# KiCad board SparkFun_GNSS_pHAT_panelized.kicad_pcb (continued)
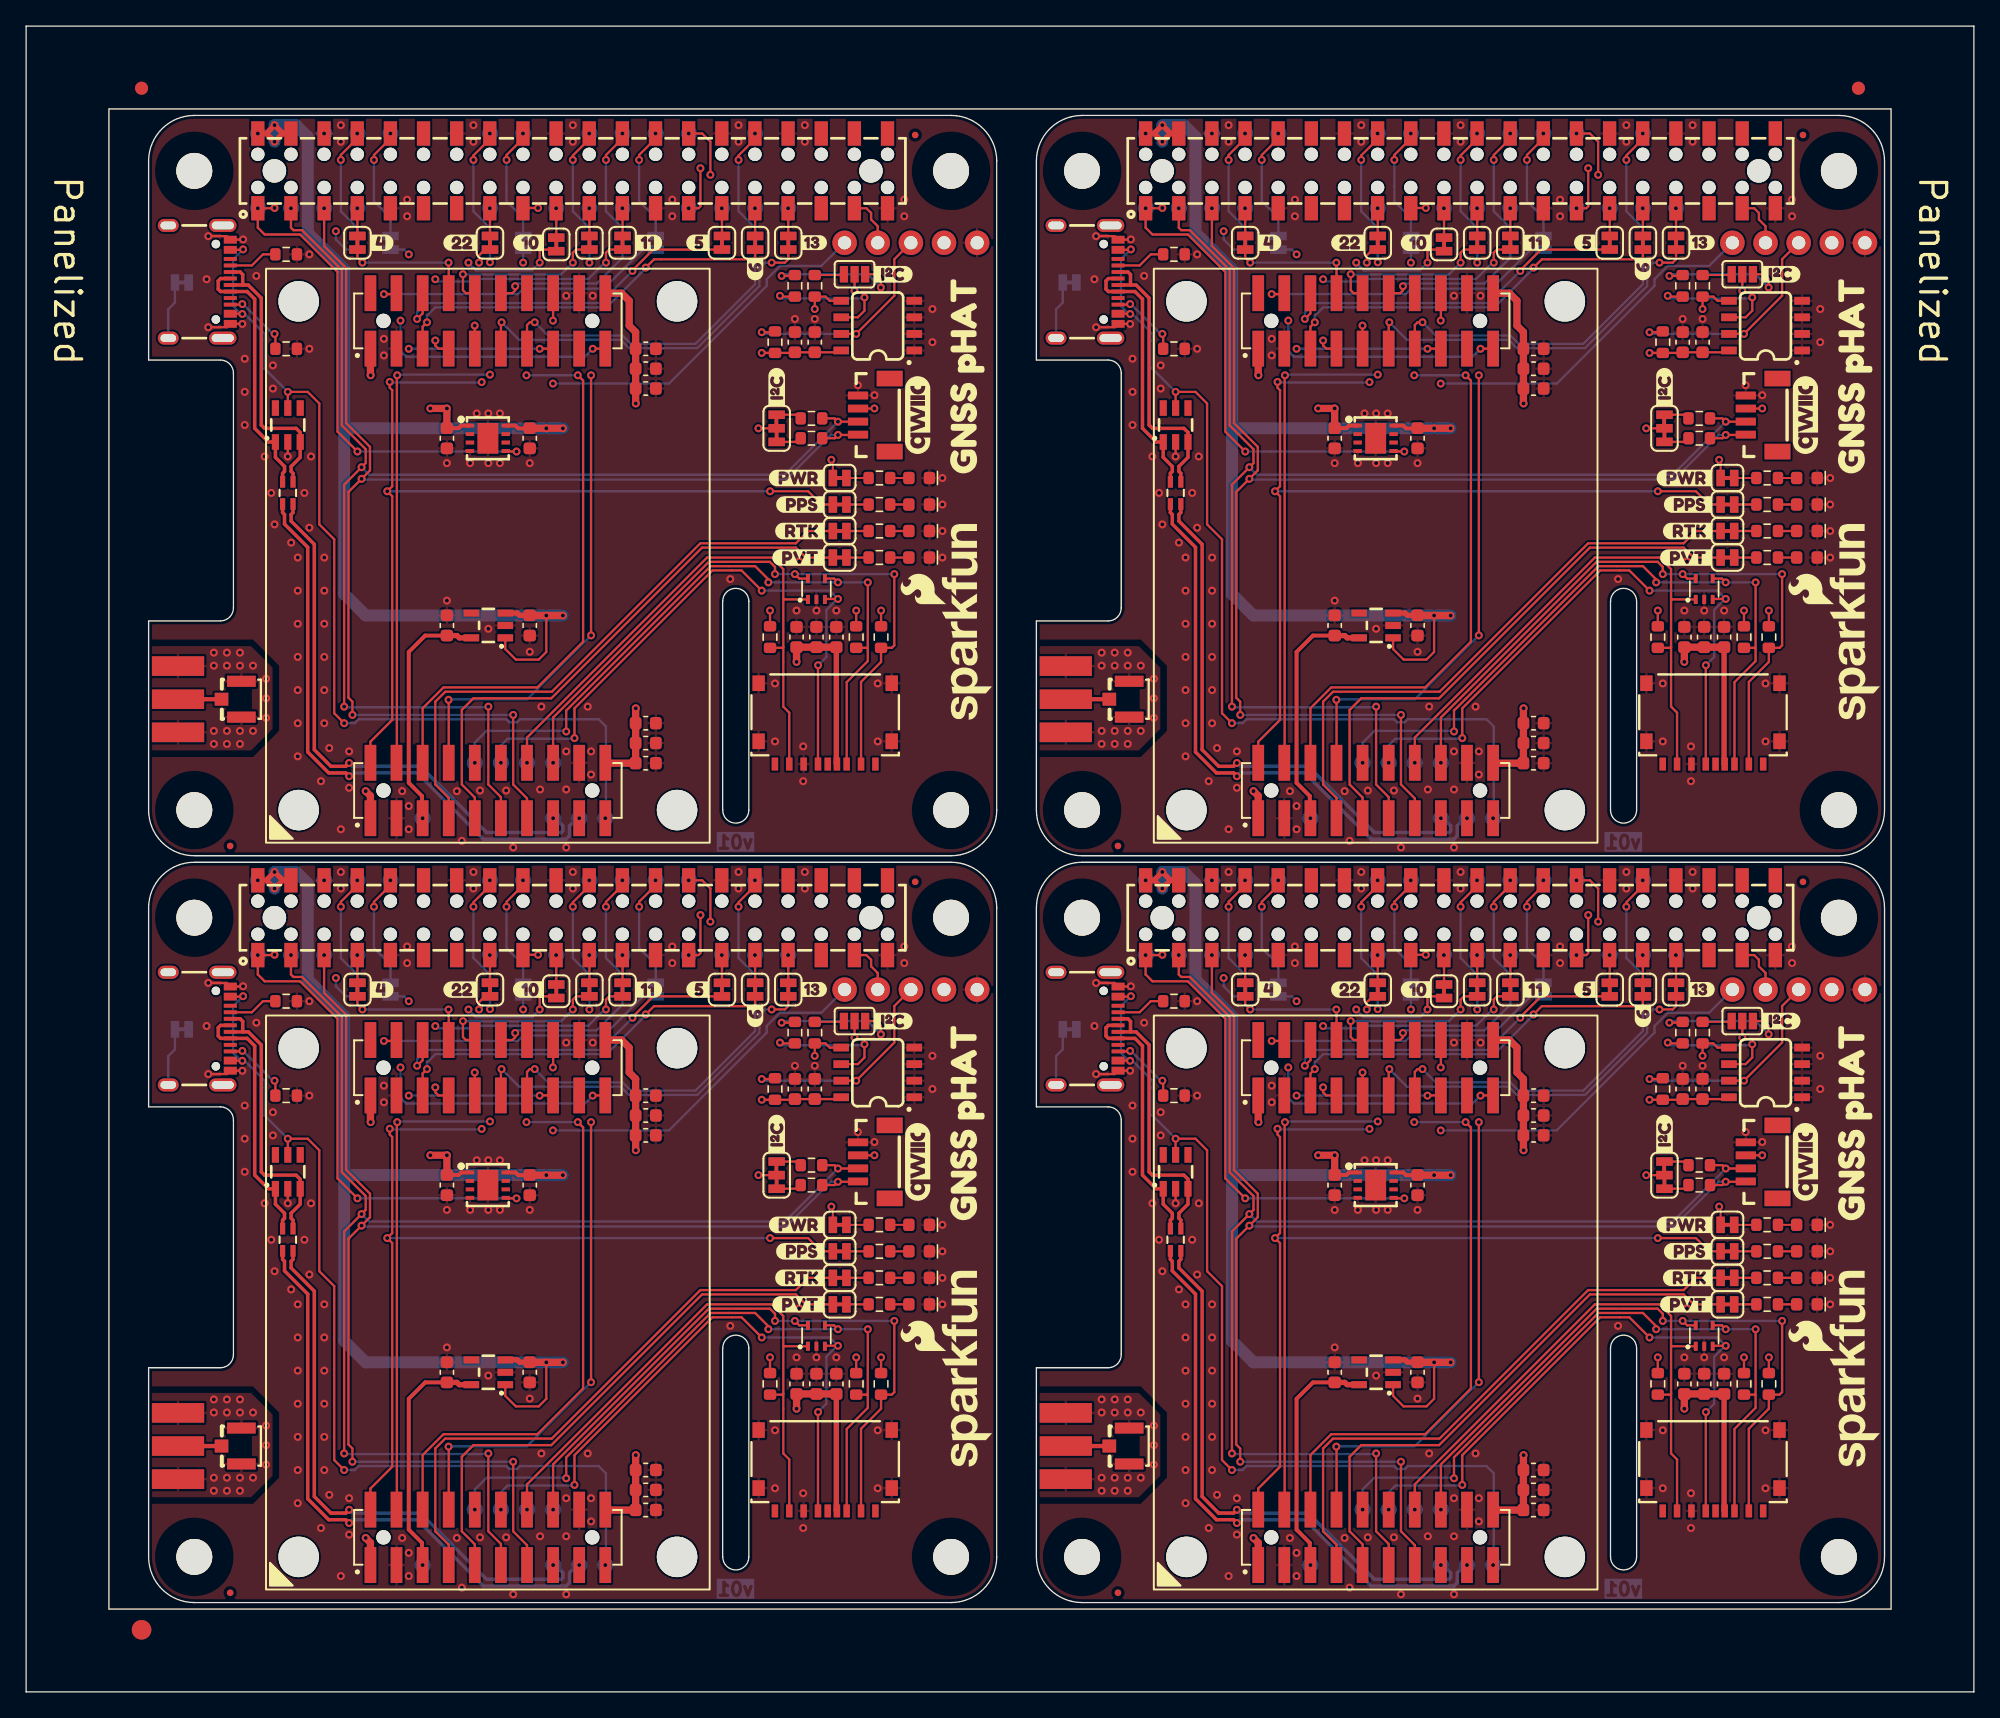
[diagram p0: board, top side]
## Placement (name value [footprint] x y rotation side) (continued)
kibuzzard-678F8F11#2  G***  [kibuzzard-678F8F11]  101.31 53.84 180 bottom
kibuzzard-678F8F11#3  G***  [kibuzzard-678F8F11]  101.31 111.09 180 bottom
kibuzzard-678F8F11#4  G***  [kibuzzard-678F8F11]  33.27 111.09 180 bottom
kibuzzard-678F8F42  G***  [kibuzzard-678F8F42]  91.27 53.84 180 bottom
kibuzzard-678F8F42#2  G***  [kibuzzard-678F8F42]  91.27 111.09 180 bottom
kibuzzard-678F8F42#3  G***  [kibuzzard-678F8F42]  23.23 53.84 180 bottom
kibuzzard-678F8F42#4  G***  [kibuzzard-678F8F42]  23.23 111.09 180 bottom
kibuzzard-678F92B8  G***  [kibuzzard-678F92B8]  13.83 108.04 270 bottom
kibuzzard-678F92B8#2  G***  [kibuzzard-678F92B8]  81.88 50.79 270 bottom
kibuzzard-678F92B8#3  G***  [kibuzzard-678F92B8]  81.88 108.04 270 bottom
kibuzzard-678F92B8#4  G***  [kibuzzard-678F92B8]  13.83 50.79 270 bottom
kibuzzard-678F878F  G***  [kibuzzard-678F878F]  127.21 29.71 0 top
kibuzzard-678F878F#2  G***  [kibuzzard-678F878F]  59.17 29.71 0 top
kibuzzard-678F878F#3  G***  [kibuzzard-678F878F]  59.17 86.96 0 top
kibuzzard-678F878F#4  G***  [kibuzzard-678F878F]  127.21 86.96 0 top
kibuzzard-678F893B  G***  [kibuzzard-678F893B]  57.52 42.79 90 top
kibuzzard-678F893B#2  G***  [kibuzzard-678F893B]  57.52 100.04 90 top
kibuzzard-678F893B#3  G***  [kibuzzard-678F893B]  66.49 51.43 0 top
kibuzzard-678F893B#4  G***  [kibuzzard-678F893B]  125.56 100.04 90 top
kibuzzard-678F893B#5  G***  [kibuzzard-678F893B]  134.53 51.43 0 top
kibuzzard-678F893B#6  G***  [kibuzzard-678F893B]  134.53 108.68 0 top
kibuzzard-678F893B#7  G***  [kibuzzard-678F893B]  125.56 42.79 90 top
kibuzzard-678F893B#8  G***  [kibuzzard-678F893B]  66.49 108.68 0 top
kibuzzard-678F918F  G***  [kibuzzard-678F918F]  67.79 108.7 270 bottom
kibuzzard-678F918F#2  G***  [kibuzzard-678F918F]  67.79 51.45 270 bottom
kibuzzard-678F918F#3  G***  [kibuzzard-678F918F]  135.83 108.7 270 bottom
kibuzzard-678F918F#4  G***  [kibuzzard-678F918F]  135.83 51.45 270 bottom
kibuzzard-678F8755  G***  [kibuzzard-678F8755]  59.3 91.02 0 top
kibuzzard-678F8755#2  G***  [kibuzzard-678F8755]  59.3 33.77 0 top
kibuzzard-678F8755#3  G***  [kibuzzard-678F8755]  127.34 33.77 0 top
kibuzzard-678F8755#4  G***  [kibuzzard-678F8755]  127.34 91.02 0 top
kibuzzard-678F8777  G***  [kibuzzard-678F8777]  127.34 88.99 0 top
kibuzzard-678F8777#2  G***  [kibuzzard-678F8777]  59.3 88.99 0 top
kibuzzard-678F8777#3  G***  [kibuzzard-678F8777]  127.34 31.74 0 top
kibuzzard-678F8777#4  G***  [kibuzzard-678F8777]  59.3 31.74 0 top
kibuzzard-67922B7F  G***  [kibuzzard-67922B7F]  72.14 43.6 90 top
kibuzzard-67922B7F#2  G***  [kibuzzard-67922B7F]  140.18 43.6 90 top
kibuzzard-67922B7F#3  G***  [kibuzzard-67922B7F]  72.14 100.85 90 top
kibuzzard-67922B7F#4  G***  [kibuzzard-67922B7F]  140.18 100.85 90 top
kibuzzard-67922E39  G***  [kibuzzard-67922E39]  60.39 111.1 0 top
kibuzzard-67922E39#2  G***  [kibuzzard-67922E39]  128.43 53.85 0 top
kibuzzard-67922E39#3  G***  [kibuzzard-67922E39]  128.43 111.1 0 top
kibuzzard-67922E39#4  G***  [kibuzzard-67922E39]  60.39 53.85 0 top
kibuzzard-67922EA6  G***  [kibuzzard-67922EA6]  65.29 51.75 270 bottom
kibuzzard-67922EA6#2  G***  [kibuzzard-67922EA6]  133.33 51.75 270 bottom
kibuzzard-67922EA6#3  G***  [kibuzzard-67922EA6]  133.33 109 270 bottom
kibuzzard-67922EA6#4  G***  [kibuzzard-67922EA6]  65.29 109 270 bottom
kibuzzard-67922FE7  G***  [kibuzzard-67922FE7]  127.09 35.81 0 top
kibuzzard-67922FE7#2  G***  [kibuzzard-67922FE7]  59.05 35.81 0 top
kibuzzard-67922FE7#3  G***  [kibuzzard-67922FE7]  127.09 93.06 0 top
kibuzzard-67922FE7#4  G***  [kibuzzard-67922FE7]  59.05 93.06 0 top
kibuzzard-67923C07  G***  [kibuzzard-67923C07]  109.53 28.95 180 bottom
kibuzzard-67923C07#2  G***  [kibuzzard-67923C07]  41.49 86.2 180 bottom
kibuzzard-67923C07#3  G***  [kibuzzard-67923C07]  109.53 86.2 180 bottom
kibuzzard-67923C07#4  G***  [kibuzzard-67923C07]  41.49 28.95 180 bottom
kibuzzard-679237A8  G***  [kibuzzard-679237A8]  140.93 51.35 270 bottom
kibuzzard-679237A8#2  G***  [kibuzzard-679237A8]  72.89 51.35 270 bottom
kibuzzard-679237A8#3  G***  [kibuzzard-679237A8]  72.89 108.6 270 bottom
kibuzzard-679237A8#4  G***  [kibuzzard-679237A8]  140.93 108.6 270 bottom
kibuzzard-679237B7  G***  [kibuzzard-679237B7]  70.39 108.8 270 bottom
kibuzzard-679237B7#2  G***  [kibuzzard-679237B7]  70.39 51.55 270 bottom
kibuzzard-679237B7#3  G***  [kibuzzard-679237B7]  138.43 51.55 270 bottom
kibuzzard-679237B7#4  G***  [kibuzzard-679237B7]  138.43 108.8 270 bottom
kibuzzard-67923645  G***  [kibuzzard-67923645]  45.69 51.75 270 bottom
kibuzzard-67923645#2  G***  [kibuzzard-67923645]  113.73 51.75 270 bottom
kibuzzard-67923645#3  G***  [kibuzzard-67923645]  113.73 109 270 bottom
kibuzzard-67923645#4  G***  [kibuzzard-67923645]  45.69 109 270 bottom
NOREF  -  [Fiducial_1mm_Mask3mm]  140.43 122.94 0 top
NOREF#2  -  [Fiducial_1.5mm_Mask3mm]  8.85 4.76 0 top
NOREF#3  -  [Fiducial_1mm_Mask3mm]  8.85 122.94 0 top
NOREF#4  -  [Fiducial_1mm_Mask3mm]  140.43 122.94 0 bottom
NOREF#5  -  [Fiducial_1mm_Mask3mm]  8.85 122.94 0 bottom
NOREF#6  -  [Fiducial_1.5mm_Mask3mm]  8.85 4.76 0 bottom
PPS1.1  ~  [Jumper_2_NC_Trace]  130.39 33.77 0 top
PPS1.1#2  ~  [Jumper_2_NC_Trace]  62.35 33.77 0 top
PPS1.1#3  ~  [Jumper_2_NC_Trace]  62.35 91.02 0 top
PPS1.1#4  ~  [Jumper_2_NC_Trace]  130.39 91.02 0 top
PVT.1  ~  [Jumper_2_NC_Trace]  62.35 86.96 0 top
PVT.1#2  ~  [Jumper_2_NC_Trace]  130.39 86.96 0 top
PVT.1#3  ~  [Jumper_2_NC_Trace]  130.39 29.71 0 top
PVT.1#4  ~  [Jumper_2_NC_Trace]  62.35 29.71 0 top
PWR.1  ~  [Jumper_2_NC_Trace]  62.35 35.81 180 top
PWR.1#2  ~  [Jumper_2_NC_Trace]  130.39 35.81 180 top
PWR.1#3  ~  [Jumper_2_NC_Trace]  130.39 93.06 180 top
PWR.1#4  ~  [Jumper_2_NC_Trace]  62.35 93.06 180 top
R1  3.9k  [R_0603_1608Metric]  126.96 50.54 90 top
R1#2  3.9k  [R_0603_1608Metric]  126.96 107.79 90 top
R1#3  3.9k  [R_0603_1608Metric]  58.92 50.54 90 top
R1#4  3.9k  [R_0603_1608Metric]  58.92 107.79 90 top
R2  3.9k  [R_0603_1608Metric]  128.48 107.79 90 top
R2#2  3.9k  [R_0603_1608Metric]  128.48 50.54 90 top
R2#3  3.9k  [R_0603_1608Metric]  60.44 50.54 90 top
R2#4  3.9k  [R_0603_1608Metric]  60.44 107.79 90 top
R3  1k  [R_0603_1608Metric]  125.44 103.47 270 top
R3#2  1k  [R_0603_1608Metric]  57.4 46.22 270 top
R3#3  1k  [R_0603_1608Metric]  57.4 103.47 270 top
R3#4  1k  [R_0603_1608Metric]  125.44 46.22 270 top
R4  3.9k  [R_0603_1608Metric]  128.23 40.38 180 top
R4#2  3.9k  [R_0603_1608Metric]  128.23 97.63 180 top
R4#3  3.9k  [R_0603_1608Metric]  60.19 40.38 180 top
R4#4  3.9k  [R_0603_1608Metric]  60.19 97.63 180 top
R5  3.9k  [R_0603_1608Metric]  60.19 38.85 180 top
R5#2  3.9k  [R_0603_1608Metric]  128.23 38.85 180 top
R5#3  3.9k  [R_0603_1608Metric]  60.19 96.1 180 top
R5#4  3.9k  [R_0603_1608Metric]  128.23 96.1 180 top
R6  10k  [R_0603_1608Metric]  65.52 80.86 90 top
R6#2  10k  [R_0603_1608Metric]  133.56 23.61 90 top
R6#3  10k  [R_0603_1608Metric]  133.56 80.86 90 top
R6#4  10k  [R_0603_1608Metric]  65.52 23.61 90 top
R7  10k  [R_0603_1608Metric]  131.66 80.86 90 top
R7#2  10k  [R_0603_1608Metric]  131.66 23.61 90 top
R7#3  10k  [R_0603_1608Metric]  63.62 80.86 90 top
R7#4  10k  [R_0603_1608Metric]  63.62 23.61 90 top
R8  10k  [R_0603_1608Metric]  57.01 23.61 90 top
R8#2  10k  [R_0603_1608Metric]  57.01 80.86 90 top
R8#3  10k  [R_0603_1608Metric]  125.06 23.61 90 top
R8#4  10k  [R_0603_1608Metric]  125.06 80.86 90 top
R9  5.1k  [R_0603_1608Metric]  87.97 110.2 180 top
R9#2  5.1k  [R_0603_1608Metric]  19.93 52.95 180 top
R9#3  5.1k  [R_0603_1608Metric]  87.97 52.95 180 top
R9#4  5.1k  [R_0603_1608Metric]  19.93 110.2 180 top
R10  5.1k  [R_0603_1608Metric]  87.97 45.71 180 top
R10#2  5.1k  [R_0603_1608Metric]  19.93 102.96 180 top
R10#3  5.1k  [R_0603_1608Metric]  19.93 45.71 180 top
R10#4  5.1k  [R_0603_1608Metric]  87.97 102.96 180 top
R11  1k  [R_0603_1608Metric]  133.44 31.74 180 top
R11#2  1k  [R_0603_1608Metric]  65.4 88.99 180 top
R11#3  1k  [R_0603_1608Metric]  133.44 88.99 180 top
R11#4  1k  [R_0603_1608Metric]  65.4 31.74 180 top
R12  2.2k  [R_0603_1608Metric]  133.44 29.71 180 top
R12#2  2.2k  [R_0603_1608Metric]  65.4 29.71 180 top
R12#3  2.2k  [R_0603_1608Metric]  133.44 86.96 180 top
R12#4  2.2k  [R_0603_1608Metric]  65.4 86.96 180 top
R13  2.2k  [R_0603_1608Metric]  65.4 91.02 180 top
R13#2  2.2k  [R_0603_1608Metric]  65.4 33.77 180 top
R13#3  2.2k  [R_0603_1608Metric]  133.44 33.77 180 top
R13#4  2.2k  [R_0603_1608Metric]  133.44 91.02 180 top
R14  4.7k  [R_0603_1608Metric]  133.44 35.81 0 top
R14#2  4.7k  [R_0603_1608Metric]  65.4 35.81 0 top
R14#3  4.7k  [R_0603_1608Metric]  133.44 93.06 0 top
R14#4  4.7k  [R_0603_1608Metric]  65.4 93.06 0 top
RTK.1  ~  [Jumper_2_NC_Trace]  130.39 31.74 0 top
RTK.1#2  ~  [Jumper_2_NC_Trace]  62.35 88.99 0 top
RTK.1#3  ~  [Jumper_2_NC_Trace]  130.39 88.99 0 top
RTK.1#4  ~  [Jumper_2_NC_Trace]  62.35 31.74 0 top
ST1  -  [Standoff]  88.93 106.6 0 top
ST1#2  -  [Standoff]  88.93 49.35 0 top
ST1#3  -  [Standoff]  20.89 49.35 0 top
ST1#4  -  [Standoff]  20.89 106.6 0 top
ST2  -  [Standoff]  49.89 49.35 0 top
ST2#2  -  [Standoff]  117.93 49.35 0 top
ST2#3  -  [Standoff]  49.89 106.6 0 top
ST2#4  -  [Standoff]  117.93 106.6 0 top
ST3  -  [Standoff]  117.93 67.6 0 top
ST3#2  -  [Standoff]  117.93 10.35 0 top
ST3#3  -  [Standoff]  49.89 67.6 0 top
ST3#4  -  [Standoff]  49.89 10.35 0 top
ST4  -  [Standoff]  88.93 67.6 0 top
ST4#2  -  [Standoff]  88.93 10.35 0 top
ST4#3  -  [Standoff]  20.89 67.6 0 top
ST4#4  -  [Standoff]  20.89 10.35 0 top
ST5  Standoff  [Standoff_Hole-2.75mm_Clearance-1.625mm]  80.93 116.6 0 top
ST5#2  Standoff  [Standoff_Hole-2.75mm_Clearance-1.625mm]  12.89 59.35 0 top
ST5#3  Standoff  [Standoff_Hole-2.75mm_Clearance-1.625mm]  80.93 59.35 0 top
ST5#4  Standoff  [Standoff_Hole-2.75mm_Clearance-1.625mm]  12.89 116.6 0 top
ST6  Standoff  [Standoff_Hole-2.75mm_Clearance-1.625mm]  12.89 67.6 0 top
ST6#2  Standoff  [Standoff_Hole-2.75mm_Clearance-1.625mm]  80.93 10.35 0 top
ST6#3  Standoff  [Standoff_Hole-2.75mm_Clearance-1.625mm]  80.93 67.6 0 top
ST6#4  Standoff  [Standoff_Hole-2.75mm_Clearance-1.625mm]  12.89 10.35 0 top
ST7  Standoff  [Standoff_Hole-2.75mm_Clearance-1.625mm]  70.89 10.35 0 top
ST7#2  Standoff  [Standoff_Hole-2.75mm_Clearance-1.625mm]  138.93 67.6 0 top
ST7#3  Standoff  [Standoff_Hole-2.75mm_Clearance-1.625mm]  70.89 67.6 0 top
ST7#4  Standoff  [Standoff_Hole-2.75mm_Clearance-1.625mm]  138.93 10.35 0 top
ST8  Standoff  [Standoff_Hole-2.75mm_Clearance-1.625mm]  138.93 59.35 0 top
ST8#2  Standoff  [Standoff_Hole-2.75mm_Clearance-1.625mm]  70.89 116.6 0 top
ST8#3  Standoff  [Standoff_Hole-2.75mm_Clearance-1.625mm]  138.93 116.6 0 top
ST8#4  Standoff  [Standoff_Hole-2.75mm_Clearance-1.625mm]  70.89 59.35 0 top
TP1  1.25mm  [TestPoint-1.25mm]  50.79 56.51 180 bottom
TP1#2  1.25mm  [TestPoint-1.25mm]  118.83 113.76 180 bottom
TP1#3  1.25mm  [TestPoint-1.25mm]  50.79 113.76 180 bottom
TP1#4  1.25mm  [TestPoint-1.25mm]  118.83 56.51 180 bottom
TP2  1.25mm  [TestPoint-1.25mm]  118.83 119.47 180 bottom
TP2#2  1.25mm  [TestPoint-1.25mm]  118.83 62.22 180 bottom
TP2#3  1.25mm  [TestPoint-1.25mm]  50.79 62.22 180 bottom
TP2#4  1.25mm  [TestPoint-1.25mm]  50.79 119.47 180 bottom
TP3  1.25mm  [TestPoint-1.25mm]  20.31 113.76 180 bottom
TP3#2  1.25mm  [TestPoint-1.25mm]  88.35 56.51 180 bottom
TP3#3  1.25mm  [TestPoint-1.25mm]  88.35 113.76 180 bottom
TP3#4  1.25mm  [TestPoint-1.25mm]  20.31 56.51 180 bottom
TP4  1.25mm  [TestPoint-1.25mm]  22.85 113.76 180 bottom
TP4#2  1.25mm  [TestPoint-1.25mm]  90.89 113.76 180 bottom
TP4#3  1.25mm  [TestPoint-1.25mm]  90.89 56.51 180 bottom
TP4#4  1.25mm  [TestPoint-1.25mm]  22.85 56.51 180 bottom
TP5  1.25mm  [TestPoint-1.25mm]  93.43 113.76 180 bottom
TP5#2  1.25mm  [TestPoint-1.25mm]  25.39 56.51 180 bottom
TP5#3  1.25mm  [TestPoint-1.25mm]  93.43 56.51 180 bottom
TP5#4  1.25mm  [TestPoint-1.25mm]  25.39 113.76 180 bottom
TP6  1.25mm  [TestPoint-1.25mm]  121.37 113.76 180 bottom
TP6#2  1.25mm  [TestPoint-1.25mm]  53.33 113.76 180 bottom
TP6#3  1.25mm  [TestPoint-1.25mm]  121.37 56.51 180 bottom
TP6#4  1.25mm  [TestPoint-1.25mm]  53.33 56.51 180 bottom
TP7  1.25mm  [TestPoint-1.25mm]  123.91 113.76 180 bottom
TP7#2  1.25mm  [TestPoint-1.25mm]  55.87 113.76 180 bottom
TP7#3  1.25mm  [TestPoint-1.25mm]  123.91 56.51 180 bottom
TP7#4  1.25mm  [TestPoint-1.25mm]  55.87 56.51 180 bottom
TP8  1.25mm  [TestPoint-1.25mm]  116.29 119.47 180 bottom
TP8#2  1.25mm  [TestPoint-1.25mm]  116.29 62.22 180 bottom
TP8#3  1.25mm  [TestPoint-1.25mm]  48.25 62.22 180 bottom
TP8#4  1.25mm  [TestPoint-1.25mm]  48.25 119.47 180 bottom
TP9  1.25mm  [TestPoint-1.25mm]  45.71 62.22 180 bottom
TP9#2  1.25mm  [TestPoint-1.25mm]  113.75 62.22 180 bottom
TP9#3  1.25mm  [TestPoint-1.25mm]  113.75 119.47 180 bottom
TP9#4  1.25mm  [TestPoint-1.25mm]  45.71 119.47 180 bottom
TP10  1.25mm  [TestPoint-1.25mm]  111.21 113.76 180 bottom
TP10#2  1.25mm  [TestPoint-1.25mm]  43.17 56.51 180 bottom
TP10#3  1.25mm  [TestPoint-1.25mm]  43.17 113.76 180 bottom
TP10#4  1.25mm  [TestPoint-1.25mm]  111.21 56.51 180 bottom
TP11  1.25mm  [TestPoint-1.25mm]  108.67 113.76 180 bottom
TP11#2  1.25mm  [TestPoint-1.25mm]  108.67 56.51 180 bottom
TP11#3  1.25mm  [TestPoint-1.25mm]  40.63 113.76 180 bottom
TP11#4  1.25mm  [TestPoint-1.25mm]  40.63 56.51 180 bottom
TP12  1.25mm  [TestPoint-1.25mm]  45.71 56.51 180 bottom
TP12#2  1.25mm  [TestPoint-1.25mm]  113.75 113.76 180 bottom
TP12#3  1.25mm  [TestPoint-1.25mm]  45.71 113.76 180 bottom
TP12#4  1.25mm  [TestPoint-1.25mm]  113.75 56.51 180 bottom
TP13  1.25mm  [TestPoint-1.25mm]  55.87 119.47 180 bottom
TP13#2  1.25mm  [TestPoint-1.25mm]  123.91 119.47 180 bottom
TP13#3  1.25mm  [TestPoint-1.25mm]  55.87 62.22 180 bottom
TP13#4  1.25mm  [TestPoint-1.25mm]  123.91 62.22 180 bottom
TP14  1.25mm  [TestPoint-1.25mm]  58.41 56.51 180 bottom
TP14#2  1.25mm  [TestPoint-1.25mm]  58.41 113.76 180 bottom
TP14#3  1.25mm  [TestPoint-1.25mm]  126.45 56.51 180 bottom
TP14#4  1.25mm  [TestPoint-1.25mm]  126.45 113.76 180 bottom
TP15  1.25mm  [TestPoint-1.25mm]  93.43 62.22 180 bottom
TP15#2  1.25mm  [TestPoint-1.25mm]  25.39 62.22 180 bottom
TP15#3  1.25mm  [TestPoint-1.25mm]  93.43 119.47 180 bottom
TP15#4  1.25mm  [TestPoint-1.25mm]  25.39 119.47 180 bottom
TP16  1.25mm  [TestPoint-1.25mm]  95.97 62.22 180 bottom
TP16#2  1.25mm  [TestPoint-1.25mm]  27.93 119.47 180 bottom
TP16#3  1.25mm  [TestPoint-1.25mm]  95.97 119.47 180 bottom
TP16#4  1.25mm  [TestPoint-1.25mm]  27.93 62.22 180 bottom
TP17  1.25mm  [TestPoint-1.25mm]  103.59 113.76 180 bottom
TP17#2  1.25mm  [TestPoint-1.25mm]  35.55 113.76 180 bottom
TP17#3  1.25mm  [TestPoint-1.25mm]  103.59 56.51 180 bottom
TP17#4  1.25mm  [TestPoint-1.25mm]  35.55 56.51 180 bottom
TP18  1.25mm  [TestPoint-1.25mm]  103.59 62.22 180 bottom
TP18#2  1.25mm  [TestPoint-1.25mm]  35.55 119.47 180 bottom
TP18#3  1.25mm  [TestPoint-1.25mm]  103.59 119.47 180 bottom
TP18#4  1.25mm  [TestPoint-1.25mm]  35.55 62.22 180 bottom
TP19  1.25mm  [TestPoint-1.25mm]  38.09 119.47 180 bottom
TP19#2  1.25mm  [TestPoint-1.25mm]  106.13 62.22 180 bottom
TP19#3  1.25mm  [TestPoint-1.25mm]  38.09 62.22 180 bottom
TP19#4  1.25mm  [TestPoint-1.25mm]  106.13 119.47 180 bottom
TP20  1.25mm  [TestPoint-1.25mm]  111.21 62.22 180 bottom
TP20#2  1.25mm  [TestPoint-1.25mm]  43.17 119.47 180 bottom
TP20#3  1.25mm  [TestPoint-1.25mm]  111.21 119.47 180 bottom
TP20#4  1.25mm  [TestPoint-1.25mm]  43.17 62.22 180 bottom
TP21  1.25mm  [TestPoint-1.25mm]  98.43 66.98 180 bottom
TP21#2  1.25mm  [TestPoint-1.25mm]  30.39 66.98 180 bottom
TP21#3  1.25mm  [TestPoint-1.25mm]  30.39 9.73 180 bottom
TP21#4  1.25mm  [TestPoint-1.25mm]  98.43 9.73 180 bottom
TP22  1.25mm  [TestPoint-1.25mm]  85.81 119.47 180 bottom
TP22#2  1.25mm  [TestPoint-1.25mm]  85.81 62.22 180 bottom
TP22#3  1.25mm  [TestPoint-1.25mm]  17.77 62.22 180 bottom
TP22#4  1.25mm  [TestPoint-1.25mm]  17.77 119.47 180 bottom
TP23  1.25mm  [TestPoint-1.25mm]  85.81 113.76 180 bottom
TP23#2  1.25mm  [TestPoint-1.25mm]  17.77 113.76 180 bottom
TP23#3  1.25mm  [TestPoint-1.25mm]  17.77 56.51 180 bottom
TP23#4  1.25mm  [TestPoint-1.25mm]  85.81 56.51 180 bottom
TP24  1.25mm  [TestPoint-1.25mm]  40.39 9.73 180 bottom
TP24#2  1.25mm  [TestPoint-1.25mm]  108.43 9.73 180 bottom
TP24#3  1.25mm  [TestPoint-1.25mm]  40.39 66.98 180 bottom
TP24#4  1.25mm  [TestPoint-1.25mm]  108.43 66.98 180 bottom
TP25  1.25mm  [TestPoint-1.25mm]  42.39 9.73 180 bottom
TP25#2  1.25mm  [TestPoint-1.25mm]  42.39 66.98 180 bottom
TP25#3  1.25mm  [TestPoint-1.25mm]  110.43 9.73 180 bottom
TP25#4  1.25mm  [TestPoint-1.25mm]  110.43 66.98 180 bottom
TP26  1.25mm  [TestPoint-1.25mm]  44.39 9.73 180 bottom
TP26#2  1.25mm  [TestPoint-1.25mm]  112.43 9.73 180 bottom
TP26#3  1.25mm  [TestPoint-1.25mm]  112.43 66.98 180 bottom
TP26#4  1.25mm  [TestPoint-1.25mm]  44.39 66.98 180 bottom
TP27  1.25mm  [TestPoint-1.25mm]  108.43 13.98 180 bottom
TP27#2  1.25mm  [TestPoint-1.25mm]  108.43 71.22 180 bottom
TP27#3  1.25mm  [TestPoint-1.25mm]  40.39 13.98 180 bottom
TP27#4  1.25mm  [TestPoint-1.25mm]  40.39 71.22 180 bottom
TP28  1.25mm  [TestPoint-1.25mm]  38.39 71.22 180 bottom
TP28#2  1.25mm  [TestPoint-1.25mm]  106.43 13.98 180 bottom
TP28#3  1.25mm  [TestPoint-1.25mm]  38.39 13.98 180 bottom
TP28#4  1.25mm  [TestPoint-1.25mm]  106.43 71.22 180 bottom
TP29  1.25mm  [TestPoint-1.25mm]  104.43 71.22 180 bottom
TP29#2  1.25mm  [TestPoint-1.25mm]  36.39 13.98 180 bottom
TP29#3  1.25mm  [TestPoint-1.25mm]  104.43 13.98 180 bottom
TP29#4  1.25mm  [TestPoint-1.25mm]  36.39 71.22 180 bottom
TP30  1.25mm  [TestPoint-1.25mm]  34.39 71.22 180 bottom
TP30#2  1.25mm  [TestPoint-1.25mm]  34.39 13.98 180 bottom
TP30#3  1.25mm  [TestPoint-1.25mm]  102.43 71.22 180 bottom
TP30#4  1.25mm  [TestPoint-1.25mm]  102.43 13.98 180 bottom
TP31  1.25mm  [TestPoint-1.25mm]  22.85 62.22 180 bottom
TP31#2  1.25mm  [TestPoint-1.25mm]  22.85 119.47 180 bottom
TP31#3  1.25mm  [TestPoint-1.25mm]  90.89 62.22 180 bottom
TP31#4  1.25mm  [TestPoint-1.25mm]  90.89 119.47 180 bottom
TR1  -  [RFCMF1220100M4T]  88.1 34.66 270 top
TR1#2  -  [RFCMF1220100M4T]  88.1 91.91 270 top
TR1#3  -  [RFCMF1220100M4T]  20.06 91.91 270 top
TR1#4  -  [RFCMF1220100M4T]  20.06 34.66 270 top
U1  CAT24C512WI-GT3  [SO-8]  65.27 104.74 180 top  (not fitted)
U1#2  CAT24C512WI-GT3  [SO-8]  133.31 47.49 180 top  (not fitted)
U1#3  CAT24C512WI-GT3  [SO-8]  65.27 47.49 180 top  (not fitted)
U1#4  CAT24C512WI-GT3  [SO-8]  133.31 104.74 180 top  (not fitted)
U2  AP7361C-3.3V  [UDFN-8]  103.43 38.85 0 top
U2#2  AP7361C-3.3V  [UDFN-8]  35.39 96.1 0 top
U2#3  AP7361C-3.3V  [UDFN-8]  103.43 96.1 0 top
U2#4  AP7361C-3.3V  [UDFN-8]  35.39 38.85 0 top
U3  RT9080-3.3  [SOT23-5]  103.47 81.75 180 top
U3#2  RT9080-3.3  [SOT23-5]  35.42 81.75 180 top
U3#3  RT9080-3.3  [SOT23-5]  35.42 24.5 180 top
U3#4  RT9080-3.3  [SOT23-5]  103.47 24.5 180 top

## Library data of the parts
C1 C1#3 C1#4 C2 C2#2 C2#4 C3 C3#3 C3#4 C4 C4#2 C4#4 C5 C5#2 C5#4 C9 C9#2 C9#4 C11 C11#2 C11#3 C14 C14#2 C14#4 = -: Datasheet: https://cdn.sparkfun.com/assets/8/a/4/a/5/Kemet_Capacitor_Datasheet.pdf; Description: Unpolarized capacitor; PROD_ID: CAP-13930; Voltage: 16V; Tolerance: 10%
C1#2 C2#3 C3#2 C4#3 C5#3 C9#3 C11#4 C14#3 = -: Datasheet: https://cdn.sparkfun.com/assets/8/a/4/a/5/Kemet_Capacitor_Datasheet.pdf; Description: Unpolarized capacitor; PROD_ID: CAP-13930; Voltage: 16V; Tolerance: 10%; ki_fp_filters: C_*
C6 C6#2 C6#4 C7 C7#3 C7#4 C10#2-C10#4 C13 C13#2 C13#4 = -: Datasheet: https://cdn.sparkfun.com/assets/8/a/4/a/5/Kemet_Capacitor_Datasheet.pdf; Description: Unpolarized capacitor; PROD_ID: CAP-00810; Voltage: 25V; Tolerance: 20%
C6#3 C7#2 C10 C13#3 = -: Datasheet: https://cdn.sparkfun.com/assets/8/a/4/a/5/Kemet_Capacitor_Datasheet.pdf; Description: Unpolarized capacitor; PROD_ID: CAP-00810; Voltage: 25V; Tolerance: 20%; ki_fp_filters: C_*
C8 C12 C15 = -: Datasheet: https://cdn.sparkfun.com/assets/8/a/4/a/5/Kemet_Capacitor_Datasheet.pdf; Description: Unpolarized capacitor; PROD_ID: CAP-11015; Voltage: 6.3V; Tolerance: 20%; ki_fp_filters: C_*
C8#2-C8#4 C12#2-C12#4 C15#2-C15#4 = -: Datasheet: https://cdn.sparkfun.com/assets/8/a/4/a/5/Kemet_Capacitor_Datasheet.pdf; Description: Unpolarized capacitor; PROD_ID: CAP-11015; Voltage: 6.3V; Tolerance: 20%
D1 D1#2 D1#4 = -: Datasheet: https://www.diodes.com/assets/Datasheets/DT1042-04SO.pdf; Description: Very low capacitance ESD protection diode, 4 data-line, SOT-23-6; PROD_ID: IC-13538
D1#3 = -: Datasheet: https://www.diodes.com/assets/Datasheets/DT1042-04SO.pdf; Description: Very low capacitance ESD protection diode, 4 data-line, SOT-23-6; PROD_ID: IC-13538; ki_fp_filters: SOT?23*
D2 D2#2 D2#3 = -: Datasheet: https://toshiba.semicon-storage.com/info/DF5A5.6LFU_datasheet_en_20140301.pdf?did=22260&prodName=DF5A5.6LFU; Description: Low capacitance microSD unidirectional quadruple ESD protection diode array, 3.3V, Common Anode, SOT-353; PROD_ID: DIO-20454
D2#4 = -: Datasheet: https://toshiba.semicon-storage.com/info/DF5A5.6LFU_datasheet_en_20140301.pdf?did=22260&prodName=DF5A5.6LFU; Description: Low capacitance microSD unidirectional quadruple ESD protection diode array, 3.3V, Common Anode, SOT-353; PROD_ID: DIO-20454; ki_fp_filters: SOT?353*
D3 D3#2 D3#3 = -: Datasheet: https://www.qt-brightek.com/datasheet/QBLP601_series.pdf; Description: Light emitting diode; PROD_ID: DIO-09004
D3#4 = -: Datasheet: https://www.qt-brightek.com/datasheet/QBLP601_series.pdf; Description: Light emitting diode; PROD_ID: DIO-09004; ki_fp_filters: LED* LED_SMD:* LED_THT:*
D4 = -: Datasheet: https://media.digikey.com/pdf/Data%20Sheets/Rohm%20PDFs/SMLE12_Series_Rev2.0_2007.pdf; Description: Light emitting diode; PROD_ID: DIO-08575; ki_fp_filters: LED* LED_SMD:* LED_THT:*
D4#2-D4#4 = -: Datasheet: https://media.digikey.com/pdf/Data%20Sheets/Rohm%20PDFs/SMLE12_Series_Rev2.0_2007.pdf; Description: Light emitting diode; PROD_ID: DIO-08575
D5 D5#3 D5#4 = -: Datasheet: https://www.kingbrightusa.com/images/catalog/SPEC/APT1608SYCK.pdf; Description: Light emitting diode; PROD_ID: DIO-09003
D5#2 = -: Datasheet: https://www.kingbrightusa.com/images/catalog/SPEC/APT1608SYCK.pdf; Description: Light emitting diode; PROD_ID: DIO-09003; ki_fp_filters: LED* LED_SMD:* LED_THT:*
D6 = -: Datasheet: https://docs.broadcom.com/docs/AV02-0551EN; Description: Light emitting diode; PROD_ID: DIO-17976; ki_fp_filters: LED* LED_SMD:* LED_THT:*
D6#2-D6#4 = -: Datasheet: https://docs.broadcom.com/docs/AV02-0551EN; Description: Light emitting diode; PROD_ID: DIO-17976
FID1 FID1#2 FID1#4 FID2 FID2#2 FID2#3 FID3#2-FID3#4 FID4#2-FID4#4 = -: Description: Fiducial Marker
FID1#3 FID2#4 FID3 FID4 = -: Description: Fiducial Marker; ki_fp_filters: Fiducial*
J1 J1#3 J1#4 = -: Datasheet: http://www.4uconnector.com/online/object/4udrawing/10956.pdf; Description: SparkFun header for Raspberry Pi; PROD_ID: CONN-13790
J1#2 = -: Datasheet: http://www.4uconnector.com/online/object/4udrawing/10956.pdf; Description: SparkFun header for Raspberry Pi; PROD_ID: CONN-13790; ki_fp_filters: PinHeader*2x20*P2.54mm*Vertical* PinSocket*2x20*P2.54mm*Vertical*
J2 J4#2 = -: Datasheet: https://gct.co/files/drawings/bf030.pdf; Description: 2x10 2.0mm Header with pegs; PROD_ID: CONN-22476; ki_fp_filters: Connector*:*_1x??_*
J2#2-J2#4 J4 J4#3 J4#4 = -: Datasheet: https://gct.co/files/drawings/bf030.pdf; Description: 2x10 2.0mm Header with pegs; PROD_ID: CONN-22476
J3 J3#2 J3#4 = -: Datasheet: https://mm.digikey.com/Volume0/opasdata/d220001/medias/docus/2607/UFL%20Series.pdf; Description: SMA PCB Edge Mount connector SMD; PROD_ID: CONN-09193
J3#3 = -: Datasheet: https://mm.digikey.com/Volume0/opasdata/d220001/medias/docus/2607/UFL%20Series.pdf; Description: SMA PCB Edge Mount connector SMD; PROD_ID: CONN-09193; ki_fp_filters: *BNC* *SMA* *SMB* *SMC* *Cinch* *LEMO*
J5 J5#2 J5#4 = -: Datasheet: https://tools.molex.com/pdm_docs/sd/1050270001_sd.pdf; Description: Micro SD socket External Pin; PROD_ID: CONN-20948
J5#3 = -: Datasheet: https://tools.molex.com/pdm_docs/sd/1050270001_sd.pdf; Description: Micro SD socket External Pin; PROD_ID: CONN-20948; ki_fp_filters: microSD*
J6 J6#2 J6#3 = -: Datasheet: https://www.usb.org/sites/default/files/documents/usb_type-c.zip; Description: USB 2.0-only Type-C Receptacle connector; PROD_ID: CONN-14122
J6#4 = -: Datasheet: https://www.usb.org/sites/default/files/documents/usb_type-c.zip; Description: USB 2.0-only Type-C Receptacle connector; PROD_ID: CONN-14122; ki_fp_filters: USB*C*Receptacle*
J7 = -: Datasheet: https://www.sparkfun.com/datasheets/Wireless/Antenna/SMA-Connector.pdf; Description: SMA PCB Edge Mount connector; PROD_ID: CONN-08289; ki_fp_filters: *BNC* *SMA* *SMB* *SMC* *Cinch* *LEMO*
J7#2-J7#4 = -: Datasheet: https://www.sparkfun.com/datasheets/Wireless/Antenna/SMA-Connector.pdf; Description: SMA PCB Edge Mount connector; PROD_ID: CONN-08289
J8 = -: Datasheet: https://www.jst-mfg.com/product/pdf/eng/eSH.pdf; Description: 4 pin JST 1mm polarized connector for I2C; PROD_ID: CONN-14483; ki_fp_filters: Connector*:*_1x??_*
J8#2-J8#4 = -: Datasheet: https://www.jst-mfg.com/product/pdf/eng/eSH.pdf; Description: 4 pin JST 1mm polarized connector for I2C; PROD_ID: CONN-14483
J9 J9#3 J9#4 = -: Description: Basic 0.1" PTH
J9#2 = -: Description: Basic 0.1" PTH; ki_fp_filters: Connector*:*_1x??_*
JP1 JP1#2 JP1#3 = -: Description: Solder Jumper, 3-pole, pins 1+2+3 closed/bridged
JP1#4 = -: Description: Solder Jumper, 3-pole, pins 1+2+3 closed/bridged; ki_fp_filters: SolderJumper*Bridged123*
JP2 JP2#2 JP2#3 = -: Description: Solder Jumper, 3-pole, open
JP2#4 = -: Description: Solder Jumper, 3-pole, open; ki_fp_filters: SolderJumper*Open*
JP3 JP3#2 JP3#3 JP4#2-JP4#4 JP5#2-JP5#4 JP6 JP6#2 JP6#3 JP7 JP7#2 JP7#3 JP8 JP8#3 JP8#4 JP9#2-JP9#4 JP10#2-JP10#4 JP11 JP11#2 JP11#3 JP12#2-JP12#4 JP13 JP13#2 JP13#4 JP14 JP14#2 JP14#4 JP15#2-JP15#4 JP22 JP22#3 JP22#4 JP23 JP23#2 JP23#4 JP24 JP24#3 JP24#4 JP25 JP25#2 JP25#3 PPS1.1 PPS1.1#3 PPS1.1#4 PVT.1 PVT.1#2 PVT.1#3 PWR.1#2-PWR.1#4 RTK.1 RTK.1#2 RTK.1#3 = -: Description: Solder Jumper, 2-pole, closed/bridged
JP3#4 JP4 JP5 JP6#4 JP7#4 JP8#2 JP9 JP10 JP11#4 JP12 JP13#3 JP14#3 JP15 JP22#2 JP23#3 JP24#2 JP25#4 PPS1.1#2 PVT.1#4 PWR.1 RTK.1#4 = -: Description: Solder Jumper, 2-pole, closed/bridged; ki_fp_filters: SolderJumper*Bridged*
R1 R1#2 R1#4 R2 R2#2 R2#4 R4 R4#2 R4#4 R5#2-R5#4 = -: Datasheet: https://www.vishay.com/docs/20035/dcrcwe3.pdf; Description: Resistor; PROD_ID: RES-08701
R1#3 R2#3 R4#3 R5 = -: Datasheet: https://www.vishay.com/docs/20035/dcrcwe3.pdf; Description: Resistor; PROD_ID: RES-08701; ki_fp_filters: R_*
R3 R3#3 R3#4 R11 R11#2 R11#3 = -: Datasheet: https://www.vishay.com/docs/20035/dcrcwe3.pdf; Description: Resistor; PROD_ID: RES-07856
R3#2 R11#4 = -: Datasheet: https://www.vishay.com/docs/20035/dcrcwe3.pdf; Description: Resistor; PROD_ID: RES-07856; ki_fp_filters: R_*
R6 R6#2 R6#3 R7 R7#2 R7#3 R8#2-R8#4 = -: Datasheet: https://www.vishay.com/docs/20035/dcrcwe3.pdf; Description: Resistor; PROD_ID: RES-00824
R6#4 R7#4 R8 = -: Datasheet: https://www.vishay.com/docs/20035/dcrcwe3.pdf; Description: Resistor; PROD_ID: RES-00824; ki_fp_filters: R_*
R9 R9#3 R9#4 R10 R10#2 R10#4 = -: Datasheet: https://www.vishay.com/docs/20035/dcrcwe3.pdf; Description: Resistor; PROD_ID: RES-12083
R9#2 R10#3 = -: Datasheet: https://www.vishay.com/docs/20035/dcrcwe3.pdf; Description: Resistor; PROD_ID: RES-12083; ki_fp_filters: R_*
R12 R12#3 R12#4 R13 R13#3 R13#4 = -: Datasheet: https://www.vishay.com/docs/20035/dcrcwe3.pdf; Description: Resistor; PROD_ID: RES-08272
R12#2 R13#2 = -: Datasheet: https://www.vishay.com/docs/20035/dcrcwe3.pdf; Description: Resistor; PROD_ID: RES-08272; ki_fp_filters: R_*
R14 R14#3 R14#4 = -: Datasheet: https://www.vishay.com/docs/20035/dcrcwe3.pdf; Description: Resistor; PROD_ID: RES-07857
R14#2 = -: Datasheet: https://www.vishay.com/docs/20035/dcrcwe3.pdf; Description: Resistor; PROD_ID: RES-07857; ki_fp_filters: R_*
ST1 ST1#2 ST1#4 ST2#2-ST2#4 ST3 ST3#2 ST3#3 ST4 ST4#2 ST4#3 ST5 ST5#3 ST5#4 ST6 ST6#2 ST6#3 ST7#2-ST7#4 ST8 ST8#2 ST8#3 = -: Description: Drill holes for mechanically mounting via screws, standoffs, etc.
ST1#3 ST2 ST3#4 ST4#4 ST5#2 ST6#4 ST7 ST8#4 = -: Description: Drill holes for mechanically mounting via screws, standoffs, etc.; ki_fp_filters: Fiducial*
TP1 TP2#3 TP3#4 TP4#4 TP5#2 TP6#4 TP7#4 TP8#3 TP9 TP10#2 TP11#4 TP12 TP13#3 TP14 TP15#2 TP16#4 TP17#4 TP18#4 TP19#3 TP20#4 TP21#3 TP22#3 TP23#3 TP24-TP26 TP27#3 TP28#3 TP29#2 TP30#2 TP31 = -: Description: Test Point; ki_fp_filters: Pin* Test*
TP1#2-TP1#4 TP2 TP2#2 TP2#4 TP3 TP3#2 TP3#3 TP4 TP4#2 TP4#3 TP5 TP5#3 TP5#4 TP6 TP6#2 TP6#3 TP7 TP7#2 TP7#3 TP8 TP8#2 TP8#4 TP9#2-TP9#4 TP10 TP10#3 TP10#4 TP11 TP11#2 TP11#3 TP12#2-TP12#4 TP13 TP13#2 TP13#4 TP14#2-TP14#4 TP15 TP15#3 TP15#4 TP16 TP16#2 TP16#3 TP17 TP17#2 TP17#3 TP18 TP18#2 TP18#3 TP19 TP19#2 TP19#4 TP20 TP20#2 TP20#3 TP21 TP21#2 TP21#4 TP22 TP22#2 TP22#4 TP23 TP23#2 TP23#4 TP24#2-TP24#4 TP25#2-TP25#4 TP26#2-TP26#4 TP27 TP27#2 TP27#4 TP28 TP28#2 TP28#4 TP29 TP29#3 TP29#4 TP30 TP30#3 TP30#4 TP31#2-TP31#4 = -: Description: Test Point
TR1 TR1#2-TR1#4 = -: Datasheet: http://www.passivecomponent.com/wp-content/uploads/2018/10/RF-Filter.pdf; Description: USB Transformer; PROD_ID: COMP-19495
U1 U1#2 U1#4 = -: Datasheet: https://www.onsemi.com/pdf/datasheet/cat24c512-d.pdf; Description: 512 Kb CMOS Serial EEPROM SOIC-8; PROD_ID: IC-14645
U1#3 = -: Datasheet: https://www.onsemi.com/pdf/datasheet/cat24c512-d.pdf; Description: 512 Kb CMOS Serial EEPROM SOIC-8; PROD_ID: IC-14645; ki_fp_filters: DIP*W7.62mm* SOIC*3.9x4.9mm* TSSOP*4.4x3mm*P0.65mm* DFN*3x2mm*P0.5mm*
U2 U2#2 U2#3 = -: Datasheet: https://www.diodes.com/assets/Datasheets/AP7361C.pdf; Description: 1A low dropout linear regulator, with enable pin, 2.2-6.0V input, 3.3V output, UDFN-8; PROD_ID: VREG-14094; VMax: 6V; Ityp: 1.0A; IMax: 1.5A; Iq: 60µA
U2#4 = -: Datasheet: https://www.diodes.com/assets/Datasheets/AP7361C.pdf; Description: 1A low dropout linear regulator, with enable pin, 2.2-6.0V input, 3.3V output, UDFN-8; PROD_ID: VREG-14094; VMax: 6V; Ityp: 1.0A; IMax: 1.5A; Iq: 60µA; ki_fp_filters: SOT?23?5*
U3 U3#2 U3#4 = -: Datasheet: https://www.richtek.com/SaveDownload.aspx?specid=RT9080; Description: 600mA low dropout linear regulator, with enable pin, 3.8V-6V input voltage range, 3.3V fixed positive output, SOT-23-5; PROD_ID: VREG-19034; VMax: 5.5V; IMax: 600mA; Iq: 4µA
U3#3 = -: Datasheet: https://www.richtek.com/SaveDownload.aspx?specid=RT9080; Description: 600mA low dropout linear regulator, with enable pin, 3.8V-6V input voltage range, 3.3V fixed positive output, SOT-23-5; PROD_ID: VREG-19034; VMax: 5.5V; IMax: 600mA; Iq: 4µA; ki_fp_filters: SOT?23?5*

## Footprints (pads in the part's own frame, mm; a bottom-side part is the same pattern mirrored in y, then rotated)
1x05
  round 1.88 hole 1.016: 1(0,0) 2(2.54,0) 3(5.08,0) 4(7.62,0) 5(10.16,0)
2x10_2.0mm_Male_Pins_Vertical_SMD
  round 1.1 hole 1.1 unplated: (0,8) (0,-8)
  rect 2.75x0.9 smd: 1(-2.125,9) 2(2.125,9) 3(-2.125,7) 4(2.125,7) 5(-2.125,5) 6(2.125,5) 7(-2.125,3) 8(2.125,3) 9(-2.125,1) 10(2.125,1) 11(-2.125,-1) 12(2.125,-1) 13(-2.125,-3) 14(2.125,-3) 15(-2.125,-5) 16(2.125,-5) 17(-2.125,-7) 18(2.125,-7) 19(-2.125,-9) 20(2.125,-9)
C_0603_1608Metric
  rrect 0.9x0.95 smd: 1(-0.775,0) 2(0.775,0)
Fiducial_0.5mm_Mask1mm
  round 0.5 smd: (0,0)
Fiducial_1.5mm_Mask3mm
  round 1.5 smd: (0,0)
Fiducial_1mm_Mask3mm
  round 1 smd: (0,0)
JST_SMD_1.0mm-4_Vertical_Black
  rect 0.6x1.55 smd: 1(-1.5,-1.511) 2(-0.5,-1.511) 3(0.5,-1.511) 4(1.5,-1.511)
  rect 1.2x2 smd: NC1(-2.8,0.914) NC2(2.8,0.914)
Jumper_2_NC_Trace
  rect 0.66x1.27 smd: 1(-0.521,0) 2(0.521,0)
Jumper_3_NC-2_Trace
  rect 0.66x1.27 smd: 1(-1.041,0) 2(0,0) 3(1.041,0)
Jumper_3_NO
  rect 0.635x1.27 smd: 1(-0.813,0) 2(0,0) 3(0.813,0)
LED_0603_1608Metric_Blue
  rrect 0.875x0.95 smd: 1(-0.787,0) 2(0.787,0)
